# Altium PCB as_x31.PcbDoc (part 4 of 6) (continued)
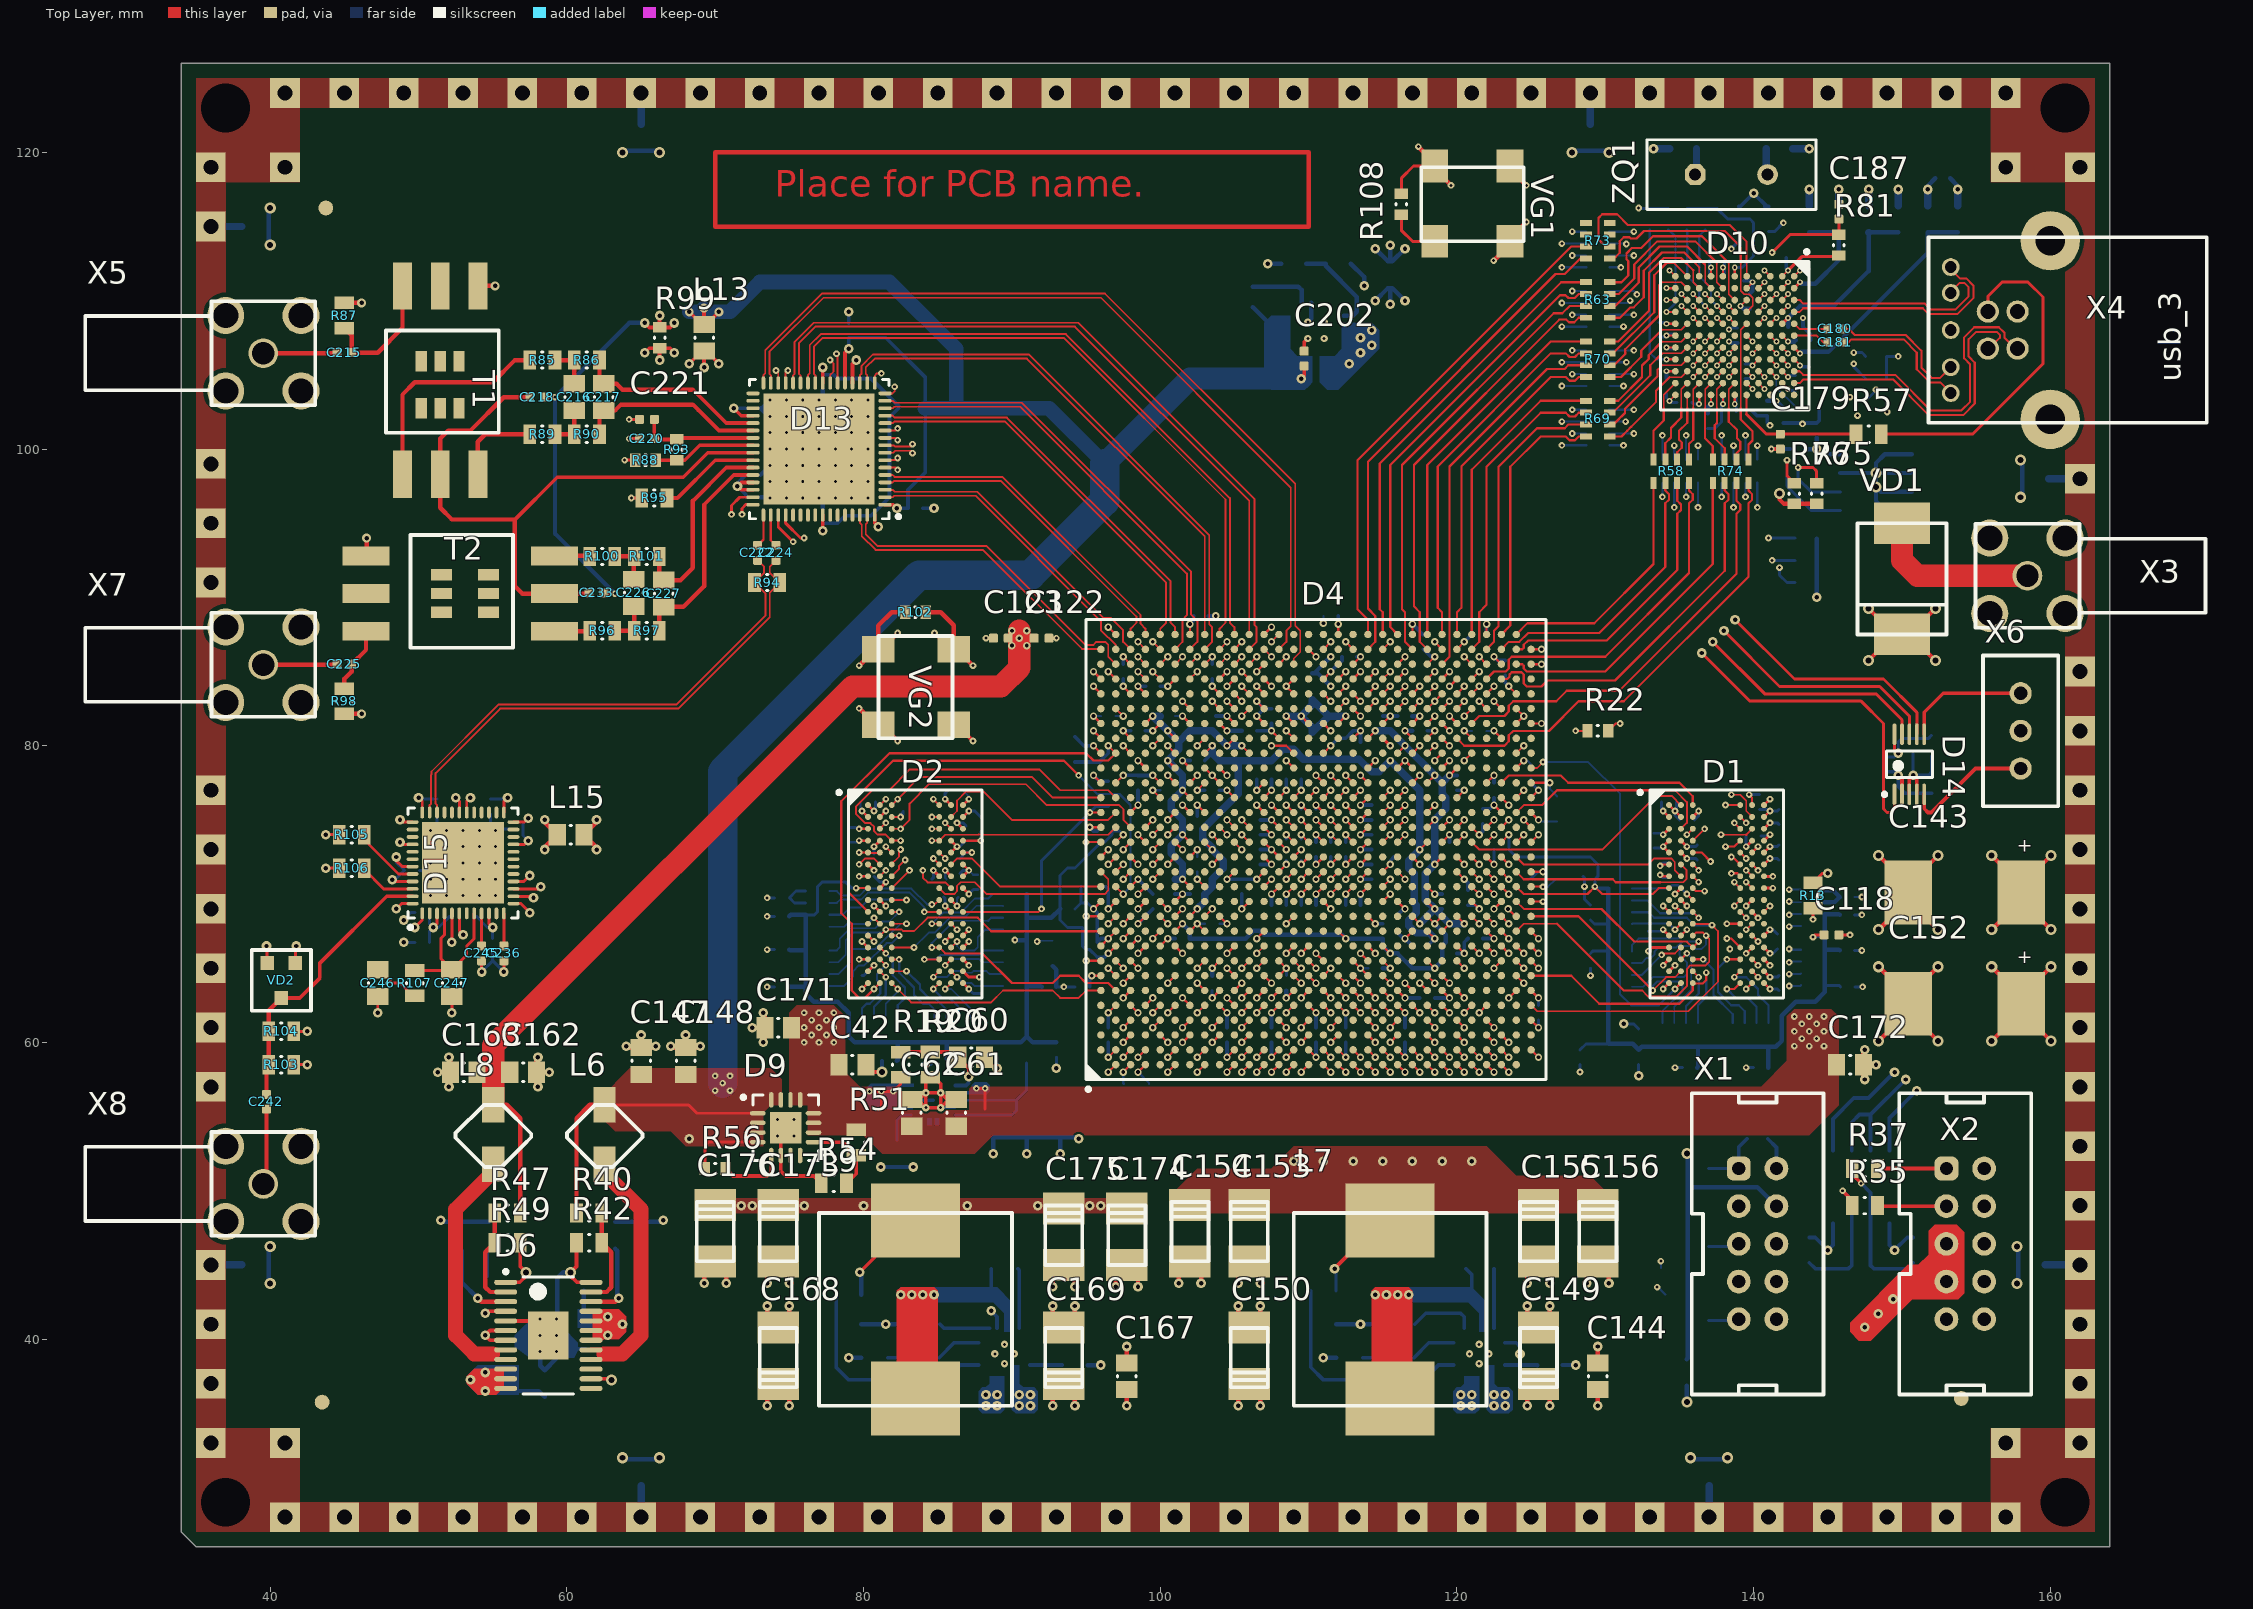
[diagram p0: Top Layer view]
## Nets (pads, with @x,y where several pads share a name; then routed paths per layer and width w, separated by ;. In a path a pad name is that pad's centre, name@x,y a point inside that pad or via, vN(x,y) a via of type N, cw(c..) or ccw(c..) an arc to the next point about the centre after c; other vN are vias at no path point) (continued)
D4: D10.G9 R65.6 | length 7.7
  Top Layer w0.125: v5(137.529,104.846) D10.G9@137.929,105.246
  int_2 w0.125: 135.229,102.646 135.229,102.846 136.329,103.946 137.029,103.946 137.529,104.446 v5(137.529,104.846)
  int_2 w0.15: 135.229,101.629 135.229,102.646
  int_2 w0.2: v2(134.65,100.225) 134.65,101.05 135.229,101.629
  Bottom Layer w0.15: R65.6@134.65,99.3 v2(134.65,100.225)
D5: D10.F8 R67.7 | length 7.4
  Top Layer w0.125: v5(138.329,105.646) D10.F8@138.729,106.046
  int_1 w0.125: v5(138.329,105.646) 139.129,104.846 139.129,102.746
  int_1 w0.15: 139.129,102 139.129,102.746
  int_1 w0.2: 139.129,102 139.129,101.246 v2(139.45,100.925)
  Bottom Layer w0.15: R67.7@139.45,99.275 v2(139.45,100.925)
D6: D10.H10 R74.8 | length 5.5
  Top Layer w0.1: 136.729,102.746 136.729,104.046 D10.H10@137.129,104.446
  Top Layer w0.15: 136.729,102.746 136.729,100.721 137.25,100.2 R74.8@137.25,99.3
D7: D10.H9 R65.7 | length 6.7
  Top Layer w0.125: v5(136.729,104.846) D10.H9@137.129,105.246
  int_1 w0.125: 135.829,102.746 135.829,103.246 136.729,104.146 v5(136.729,104.846)
  int_1 w0.15: 135.829,102 135.829,102.746
  int_1 w0.2: v2(135.45,100.925) 135.829,101.304 135.829,102
  Bottom Layer w0.15: R65.7@135.45,99.275 v2(135.45,100.925)
D8: D10.J10 R58.5 | length 5.4
  Top Layer w0.1: 135.929,102.746 135.929,104.046 D10.J10@136.329,104.446
  Top Layer w0.15: R58.5@135.65,99.3 135.65,100.35 135.929,100.629 135.929,102.746
D9: D10.J9 R71.7 | length 8.4
  Top Layer w0.125: v5(135.929,104.846) D10.J9@136.329,105.246
  int_1 w0.125: 133.829,104.046 135.129,104.046 v5(135.929,104.846)
  int_1 w0.2: v2(131.925,101.05) 132.875,102 132.875,103.092 133.829,104.046
  Bottom Layer w0.15: R71.7@130.275,101.05 v2(131.925,101.05)
D10: D10.K11 R58.6 | length 4.8
  Top Layer w0.1: 135.529,102.746 D10.K11@135.529,103.646
  Top Layer w0.15: R58.6@134.85,99.3 134.85,99.789 135.15,100.089 135.15,100.45 134.975,100.625 134.975,101.225 135.529,101.779 135.529,102.746
D11: D10.L10 R58.8 | length 5.8
  Top Layer w0.125: 133.942,102.759 133.942,103.659 D10.L10@134.729,104.446
  Top Layer w0.15: R58.8@133.25,99.3 133.25,101.225 133.942,101.917 133.942,102.759
D12: D10.K10 R58.7 | length 5.8
  Top Layer w0.1: 135.129,102.746 135.129,104.046 D10.K10@135.529,104.446
  Top Layer w0.15: R58.7@134.05,99.3 134.05,100.4 134.425,100.775 134.425,101.425 135.129,102.129 135.129,102.746
D13: D10.K9 R69.5 | length 7.5
  Top Layer w0.1: 134.329,104.846 135.129,104.846 D10.K9@135.529,105.246
  Top Layer w0.15: R69.5@130.3,100.85 131.1,100.85 131.475,101.225 131.475,101.236 131.739,101.5 131.75,101.5 133.429,103.179 133.429,103.946 134.329,104.846
D14: D10.J8 R71.6 | length 8.4
  Top Layer w0.125: v5(135.929,105.646) D10.J8@136.329,106.046
  int_1 w0.125: 133.829,104.446 134.729,104.446 v5(135.929,105.646)
  int_1 w0.15: 133.471,104.446 133.829,104.446
  int_1 w0.2: v2(131.375,101.85) 131.975,101.85 132.425,102.3 132.425,103.4 133.471,104.446
  Bottom Layer w0.15: R71.6@130.3,101.85 v2(131.375,101.85)
D15: D10.G8 R65.5 | length 8.9
  Top Layer w0.125: v5(137.529,105.646) D10.G8@137.929,106.046
  int_2 w0.125: 134.829,102.646 134.829,103.146 136.029,104.346 136.829,104.346 137.129,104.646 137.129,105.246 v5(137.529,105.646)
  int_2 w0.15: 134.825,101.9 134.829,101.9 134.829,102.646
  int_2 w0.2: v2(133.85,100.925) 134.825,101.9
  Bottom Layer w0.15: R65.5@133.85,99.275 v2(133.85,100.925)
D16: D10.K2 R70.6 | length 9.1
  Top Layer w0.1: 133.829,111.246 135.129,111.246 D10.K2@135.529,110.846
  Top Layer w0.15: R70.6@130.3,105.65 130.589,105.65 131.35,106.411 131.35,106.725 133.629,109.004 133.629,111.046 133.829,111.246
D17: D10.J4 R66.5 | length 6.7
  Top Layer w0.125: v5(135.929,109.646) D10.J4@136.329,109.246
  int_1 w0.125: 133.829,110.446 134.429,110.446 134.829,110.046 135.529,110.046 v5(135.929,109.646)
  int_1 w0.15: 133.083,110.446 133.829,110.446
  int_1 w0.2: v2@132.125,110.446 133.083,110.446
  Bottom Layer w0.15: R66.5@130.275,110.65 131.925,110.65 132.125,110.45 v2(132.125,110.425)
D18: D10.K1 R70.7 | length 9.6
  Top Layer w0.125: 134.129,112.546 134.629,112.546 D10.K1@135.529,111.646
  Top Layer w0.15: R70.7@130.3,106.45 130.525,106.45 133.3,109.225 133.3,111.717 134.129,112.546
D19: D10.J2 R70.8 | length 11.2
  Top Layer w0.1: 135.929,112.046 135.929,111.246 D10.J2@136.329,110.846
  Top Layer w0.15: R70.8@130.3,107.25 130.875,107.25 132.95,109.325 132.95,111.875 133.95,112.875 135.1,112.875 135.929,112.046
D20: D10.J3 R72.8 | length 6.9
  Top Layer w0.125: v5(135.929,110.446) D10.J3@136.329,110.046
  int_1 w0.125: 133.829,111.246 134.529,111.246 134.929,110.846 135.529,110.846 v5(135.929,110.446)
  int_1 w0.15: 133.083,111.246 133.829,111.246
  int_1 w0.2: v2(131.05,112.25) 132.054,111.246 133.083,111.246
  Bottom Layer w0.15: R72.8@130.3,112.25 v2(131.05,112.25)
D21: D10.J1 R63.5 | length 9.9
  Top Layer w0.1: D10.J1@136.329,111.646 136.329,112.246
  Top Layer w0.15: R63.5@130.3,108.85 131,108.85 131.7,109.55 131.925,109.55 132.6,110.225 132.6,112.025 133.825,113.25 135.325,113.25 136.329,112.246
D22: D10.H2 R63.6 | length 10.9
  Top Layer w0.1: 136.729,112.446 136.729,111.246 D10.H2@137.129,110.846
  Top Layer w0.15: R63.6@130.3,109.65 130.675,109.65 132.25,111.225 132.25,112.241 133.659,113.65 135.525,113.65 136.729,112.446
D23: D10.H3 R72.6 | length 8.8
  Top Layer w0.125: v5(136.729,110.446) D10.H3@137.129,110.046
  int_1 w0.125: 133.275,112.925 133.754,112.446 135.329,112.446 136.729,111.046 v5(136.729,110.446)
  int_1 w0.2: v2(131.425,113.825) 132.375,113.825 133.275,112.925
  Bottom Layer w0.15: R72.6@130.3,113.85 131.4,113.85 v2(131.425,113.825)
D24: D10.F4 R72.7 | length 10.2
  Top Layer w0.125: v5(138.329,109.646) D10.F4@138.729,109.246
  int_1 w0.125: 133.829,111.646 135.276,111.646 136.329,110.593 136.329,110.299 136.582,110.046 137.929,110.046 v5(138.329,109.646)
  int_1 w0.15: 133.329,111.646 133.829,111.646
  int_1 w0.2: v2(131.925,113.05) 133.329,111.646
  Bottom Layer w0.15: R72.7@130.275,113.05 v2(131.925,113.05)
D25: D10.G2 R63.7 | length 11.7
  Top Layer w0.1: 137.529,112.546 137.529,111.246 D10.G2@137.929,110.846
  Top Layer w0.15: R63.7@130.3,110.45 130.9,110.45 131.95,111.5 131.95,112.439 133.511,114 136.075,114 137.529,112.546
D26: D10.G3 R72.5 | length 9.8
  Top Layer w0.125: v5(137.529,110.446) D10.G3@137.929,110.046
  int_1 w0.125: 135.529,112.846 137.529,110.846 v5(137.529,110.446)
  int_1 w0.15: v2(131.925,114.65) 133.725,114.65 135.529,112.846
  Bottom Layer w0.15: R72.5@130.275,114.65 v2(131.925,114.65)
D27: D10.F3 R63.8 | length 13.8
  Top Layer w0.1: 138.329,112.546 138.329,110.446 D10.F3@138.729,110.046
  Top Layer w0.15: R63.8@130.3,111.25 131.1,111.25 131.55,111.7 131.55,112.675 131.425,112.8 131.425,113.186 131.792,113.553 132.422,113.553 133.218,114.35 136.525,114.35 138.329,112.546
D28: D10.F5 R66.8 | length 9
  Top Layer w0.125: v5(138.329,108.846) D10.F5@138.729,108.446
  int_2 w0.125: 133.421,108.046 135.129,108.046 135.529,108.446 137.929,108.446 v5(138.329,108.846)
  int_2 w0.2: v2(131.225,108.25) 131.429,108.046 133.421,108.046
  Bottom Layer w0.15: R66.8@130.3,108.25 v2(131.225,108.25)
D29: D10.E1 R73.6 | length 15.6
  Top Layer w0.1: D10.E1@139.529,111.646 139.529,112.546
  Top Layer w0.15: R73.6@130.3,113.65 130.025,113.65 129.55,114.125 129.55,115.575 129.8,115.825 130.8,115.825 131.525,115.1 138.4,115.1 139.529,113.971 139.529,112.546
D30: D10.E5 R74.5 | length 9.8
  Top Layer w0.1: 139.129,102.746 139.129,108.046 D10.E5@139.529,108.446
  Top Layer w0.15: 139.129,102.746 139.129,101.996 139.925,101.2 139.925,100.575 139.65,100.3 R74.5@139.65,99.3
D31: D10.E4 R73.5 | length 15.6
  Top Layer w0.1: 139.129,112.546 139.129,110.682 139.366,110.445 139.694,110.445 139.929,110.21 139.929,109.646 D10.E4@139.529,109.246
  Top Layer w0.15: R73.5@130.3,112.85 130.6,112.85 130.975,113.225 130.975,114.011 131.239,114.275 131.638,114.275 131.713,114.2 132.111,114.2 132.611,114.7 138.05,114.7 139.129,113.621 139.129,112.546
DDR0_A0: D1.N3 D4.AJ12 R3.6 | length 19
  Top Layer w0.125: D4.AJ12@124,69.5 124.5,69 126.6,69 ; 131.95,66.8 135.5,66.8 D1.N3@135.9,66.4
  Top Layer w0.15: 126.6,69 129.75,69 131.95,66.8 ; D1.N3@135.9,66.4 v2(136.3,66.8)
  Bottom Layer w0.125: R3.6@131.8,65.35 132.45,65.35 132.8,65.7 133.1,65.7 133.312,65.912 133.312,66.112 133.6,66.4 134.8,66.4 135.2,66.8 v2(136.3,66.8)
DDR0_A1: D1.P7 D4.AK12 R11.6 | length 22.1
  Top Layer w0.125: D4.AK12@125,69.5 125.8,69.5 v2(125.8,69.487)
  Top Layer w0.15: v2(138.2,65.6) D1.P7@139.1,65.6
  int_2 w0.125: v2(125.8,69.487) 129.213,69.487 131.79,66.91 134.006,66.91 135.329,65.588 135.671,65.588 135.913,65.829 135.913,66.113 136.188,66.388 137.413,66.388 v2(138.2,65.6)
  Bottom Layer w0.15: v2(138.2,65.6) 137.6,65 137.6,63.4 138.5,62.5 139,62.5 139.4,62.1 R11.6@139.4,61.3
DDR0_A2: D1.P3 D4.AH11 R11.5 | length 21.3
  Top Layer w0.15: D4.AH11@123,68.5 v1(123.5,68) ; D1.P3@135.9,65.6 v2(136.6,65.6)
  int_2 w0.15: v1(123.5,68) 128.3,68 131.525,64.775 135.775,64.775 v2(136.6,65.6)
  Bottom Layer w0.15: v2(136.6,65.6) 137.3,64.9 137.3,63.2 138.6,61.9 R11.5@138.6,61.3
DDR0_A3: D1.N2 D4.AH12 R3.7 | length 17.8
  Top Layer w0.125: v2(133.8,65.9) 133.9,66 134.7,66 D1.N2@135.1,66.4
  Top Layer w0.15: v1(122.5,69) 122.407,69 122.562,69 122.562,69.062 D4.AH12@123,69.5
  int_2 w0.125: 131.475,66.025 131.9,65.6 133.5,65.6 v2(133.8,65.9)
  int_2 w0.15: v1(122.5,69) 123,68.5 129,68.5 131.475,66.025
  Bottom Layer w0.15: R3.7@131.8,64.55 132.45,64.55 v2(133.8,65.9)
DDR0_A4: D1.P8 D4.AG13 R6.6 | length 28.6
  Top Layer w0.15: D4.AG13@122,70.5 v1(122.5,70) ; D1.P8@139.9,65.6 v2(140.3,65.2)
  int_2 w0.125: 131.25,66.85 131.5,66.6 133.963,66.6 135.226,65.338 135.774,65.338 136.163,65.726 136.163,65.963 136.338,66.138 137.079,66.138 138.029,65.188 v2@140.3,65.188
  int_2 w0.15: v1(122.5,70) 123,69.5 124.1,69.5 124.8,68.8 129.3,68.8 131.25,66.85
  int_1 w0.125: v2(140.3,65.2) 139.8,64.7 139.8,64.2 140.3,63.7 140.3,63.3 140.8,62.8 141.5,62.8 141.9,63.2 141.9,64.1 v2(142.4,64.6)
  Bottom Layer w0.125: v2(142.4,64.6) 143.15,64.6 R6.6@143.2,64.65
DDR0_A5: D1.P2 D4.AG14 R9.6 | length 21.9
  Top Layer w0.15: D4.AG14@122,71.5 v1(122.5,71) ; D1.P2@135.1,65.6 v2(135.5,66)
  int_2 w0.125: 132.15,67.55 132.541,67.159 134.341,67.159 134.7,66.8 135.1,66.8 135.5,66.4 v2(135.5,66)
  int_2 w0.15: v1(122.5,71) 123,70.5 123.9,70.5 124.4,70 129.7,70 132.15,67.55
  Bottom Layer w0.125: R9.6@134.65,61.3 134.65,62.4 135.8,63.55 135.8,65.7 v2(135.5,66)
DDR0_A6: D1.R8 D4.AK10 R6.7 | length 23.2
  Top Layer w0.15: D4.AK10@125,67.5 v1(125.5,67) ; D1.R8@139.9,64.8 v2(140.3,64.4)
  int_2 w0.15: v1(125.5,67) 128,67 130.975,64.025 134.876,64.025 134.926,63.975 137.674,63.975 138.524,64.825 139,64.825 139.136,64.689 140.011,64.689 v2(140.3,64.4)
  int_1 w0.15: v2(140.3,64.4) 140.6,64.1 140.6,63.499 140.924,63.175 141.276,63.175 141.525,63.424 141.525,64.525 v2(142.4,65.4)
  Bottom Layer w0.15: v2(142.4,65.4) 142.45,65.45 R6.7@143.2,65.45
DDR0_A7: D1.R2 D4.AK11 R9.5 | length 18.3
  Top Layer w0.125: v2(133.2,63.5) 134.1,64.4 134.7,64.4 D1.R2@135.1,64.8
  Top Layer w0.15: D4.AK11@125,68.5 128.2,68.5 v2(133.2,63.5)
  Bottom Layer w0.15: v2(133.2,63.5) 133.2,63.8 133.5,64.1 134.9,64.1 135.2,63.8 135.2,63.45 133.85,62.1 R9.5@133.85,61.3
DDR0_A8: D1.T8 D4.AF11 R6.5 | length 27.4
  Top Layer w0.15: D4.AF11@121,68.5 v1(121.5,68) ; v2(139.5,63.6) D1.T8@139.9,64
  int_2 w0.15: v1(121.5,68) 121.5,67.364 122.414,66.45 122.686,66.45 122.95,66.186 122.95,65.914 123.314,65.55 126.05,65.55 128.9,62.7 138.6,62.7 v2(139.5,63.6)
  int_1 w0.15: v2(139.5,63.6) 140.6,62.5 141.6,62.5 142.4,63.3 v2(142.4,63.8)
  Bottom Layer w0.15: v2(142.4,63.8) 143.15,63.8 R6.5@143.2,63.85
DDR0_A9: D1.R3 D4.AG11 R9.7 | length 20
  Top Layer w0.15: D4.AG11@122,68.5 v1(122.5,68) ; D1.R3@135.9,64.8 v2(136.3,64.4)
  int_2 w0.15: v1(122.5,68) 122.7,68 123.2,67.5 128.25,67.5 131.35,64.4 v2(136.3,64.4)
  Bottom Layer w0.15: R9.7@135.45,61.3 135.45,62.45 136.3,63.3 v2(136.3,64.4)
DDR0_A10: D1.L7 D4.AJ8 R1.6 | length 23.3
  Top Layer w0.15: D4.AJ8@124,65.5 v1(124.5,65) ; v2(138.2,68) D1.L7@139.1,68
  int_2 w0.125: v2(138.2,68) 139.012,67.189 139.689,67.189 141.1,68.6 v2(142.4,68.6)
  int_1 w0.15: v1(124.5,65) 124.6,65 125.1,65.5 125.8,65.5 126.3,65 132.9,65 133.3,64.6 134.899,64.6 136.499,66.2 138.2,67.9 v2(138.2,68)
  Bottom Layer w0.15: v2(142.4,68.6) 142.45,68.65 R1.6@143.2,68.65
DDR0_A11: D1.R7 D4.AK8 R11.8 | length 24
  Top Layer w0.15: D4.AK8@125,65.5 v1(125.5,65) ; v2(138.7,64.4) D1.R7@139.1,64.8
  int_2 w0.15: v1(125.5,65) 128.2,62.3 139.1,62.3 140,63.2 140,63.9 139.5,64.4 v2(138.7,64.4)
  Bottom Layer w0.15: v2(138.7,64.4) 139.5,64.4 140.3,63.6 140.3,63.2 141,62.5 R11.8@141,61.3
DDR0_A12: D1.N7 D4.AJ7 R1.5 | length 22.8
  Top Layer w0.15: D4.AJ7@124,64.5 v1(124.5,64) ; v2(138.2,67) 138.5,67 D1.N7@139.1,66.4
  int_2 w0.125: v2(138.2,67) 138.261,66.94 139.858,66.94 141.118,68.2 142,68.2 v2(142.4,67.8)
  int_1 w0.15: v1(124.5,64) 132.25,64 132.45,64.2 135.3,64.2 136.276,65.176 136.776,65.176 137.1,65.5 137.1,65.9 v2(138.2,67)
  Bottom Layer w0.15: v2(142.4,67.8) 142.45,67.85 R1.5@143.2,67.85
DDR0_A13: D1.T3 D4.AK7 R9.8 | length 17.7
  Top Layer w0.15: D4.AK7@125,64.5 127.7,64.5 129.6,62.6 135,62.6 135.9,63.5 D1.T3@135.9,64 135.925,63.975 136.575,63.975 136.8,64.2 v2@136.8,64.7
  Bottom Layer w0.15: R9.8@136.25,61.3 136.25,62.5 136.807,63.057 v2(136.807,64.707)
DDR0_A14: D1.T7 D4.AF13 R11.7 | length 26.4
  Top Layer w0.15: D4.AF13@121,70.5 v1(121.5,70) ; v2(138.2,63.6) 138.7,63.6 D1.T7@139.1,64
  int_2 w0.15: v1(121.5,70) 122,69.5 122,67.7 122.25,67.45 122.686,67.45 123.05,67.086 123.05,66.814 123.364,66.5 125.9,66.5 129.4,63 137.6,63 v2(138.2,63.6)
  Bottom Layer w0.15: v2(138.2,63.6) 138.8,63 139.6,63 140.2,62.4 R11.7@140.2,61.3
DDR0_BA0: D1.M2 D4.AH9 R3.5 | length 18.6
  Top Layer w0.15: D4.AH9@123,66.5 v1(123.5,66) ; D1.M2@135.1,67.2 v2(135.5,67.6)
  int_1 w0.15: v1(123.5,66) 124.1,66.6 124.9,66.6 124.95,66.55 126.35,66.55 126.5,66.4 132.15,66.4 132.55,66.8 134.7,66.8 v2(135.5,67.6)
  Bottom Layer w0.125: 131.8,66.55 132.25,67 134.9,67 135,67.1
  Bottom Layer w0.15: R3.5@131.8,66.15 131.8,66.55 ; 135,67.1 v2(135.5,67.6)
DDR0_BA1: D1.N8 D4.AH10 R6.8 | length 27.1
  Top Layer w0.15: D4.AH10@123,67.5 v1(123.5,67) ; v2(139.5,66) D1.N8@139.9,66.4
  int_2 w0.15: v2(138.4,66.3) 138.7,66 v2(139.5,66) 140.3,66 140.8,66.5 141.5,66.5 141.7,66.3 v2(142.4,66.3)
  int_1 w0.15: v1(123.5,67) 123,66.5 123,64.75 124.25,63.5 132.3,63.5 132.9,62.9 135.6,62.9 137.5,64.8 137.5,65.7 138.1,66.3 v2(138.4,66.3)
  Bottom Layer w0.15: v2(142.4,66.3) 142.45,66.25 R6.8@143.2,66.25
DDR0_BA2: D1.M3 D4.AJ10 R3.8 | length 28.4
  Top Layer w0.125: D4.AJ10@124,67.5 124.5,68 126.75,68 ; 132.5,63.5 132.912,63.088 134.771,63.088 135.513,63.829 135.513,64.961 135.74,65.188 136.061,65.188 136.771,65.188 137.013,65.429 137.013,66.988 v2(136.8,67.2) 136.6,67.4 136.1,67.4 D1.M3@135.9,67.2
  Top Layer w0.15: 126.75,68 131.25,63.5 132.5,63.5
  Bottom Layer w0.125: R3.8@131.8,63.75 132.55,63.75 133.2,64.4 135.3,64.4 135.5,64.6 135.5,65.4 135,65.9 135,66.2 135.3,66.5 135.7,66.5 135.9,66.3 136.5,66.3 136.8,66.6 v2(136.8,67.2)
DDR0_CAS: D1.K3 D4.AF9 R4.6 | length 28
  Top Layer w0.15: D4.AF9@121,66.5 v1(121.5,66) ; D1.K3@135.9,68.8 v2(136.3,68.4)
  int_2 w0.15: v1(121.5,66) 121.5,66.65 121,67.15 121,70.3 121.25,70.55 121.686,70.55 122.05,70.914 122.05,71.186 122.314,71.45 124.25,71.45 124.7,71 130.1,71 132.7,68.4 v2(136.3,68.4)
  Bottom Layer w0.15: R4.6@131.8,69.575 132.825,69.575 133.7,68.7 136,68.7 v2(136.3,68.4)
DDR0_CK_N: D1.K7 D4.AA14 R1.7 | length 39
  Top Layer w0.125: D4.AA14@116,71.5 v1(116.5,71) ; D1.K7@139.1,68.8 v2(139.5,68.4)
  int_1 w0.13: v1(116.5,71) 116.57,71 117.27,70.3 117.27,69.063 118.06,68.273 118.06,67.818 118.318,67.56 118.773,67.56 120.06,66.273 120.06,65.818 120.318,65.56 120.773,65.56 123.106,63.228 123.06,63.182 123.06,62.818 123.318,62.56 123.682,62.56 123.728,62.606 124.233,62.1 135.8,62.1 139.286,65.586 139.672,65.586 139.914,65.829 139.914,66.172 139.7,66.386 139.7,66.815 139,67.515 139,67.9 v2(139.5,68.4) 140.72,69.62 142.28,69.62 v2(142.4,69.5)
  Bottom Layer w0.125: v2(142.4,69.5) 142.45,69.45 R1.7@143.2,69.45
DDR0_CK_P: D1.J7 D4.Y13 R1.8 | length 40.7
  Top Layer w0.125: D4.Y13@115,70.5 v1(115.5,71) ; v2(138.7,69.2) D1.J7@139.1,69.6
  int_1 w0.13: v1(115.5,71) 115.772,71 116.287,71.515 116.713,71.515 117.015,71.213 117.015,71.085 117.6,70.5 117.6,69.2 118.36,68.44 118.682,68.44 118.94,68.182 118.94,67.86 120.36,66.44 120.682,66.44 120.94,66.182 120.94,65.86 123.36,63.44 123.682,63.44 123.94,63.182 123.94,62.86 124.37,62.43 135.663,62.43 139.086,65.853 139.086,66.172 139.37,66.456 139.37,66.678 138.67,67.378 138.67,68.037 139.01,68.377 139.01,68.89 v2(138.7,69.2) 139.2,69.7 140.333,69.7 140.583,69.95 142.05,69.95 v2(142.4,70.3)
  Bottom Layer w0.125: v2(142.4,70.3) 143.15,70.3 R1.8@143.2,70.25
DDR0_CKE: D1.K9 D4.AK18 R15.2 | length 21.7
  Top Layer w0.125: D1.K9@140.7,68.8 v2(141.1,69.2)
  Top Layer w0.15: D4.AK18@125,75.5 v1(125.5,75)
  int_2 w0.125: v1(125.5,75) 133.717,75 134.808,73.908 134.808,72.292 135.2,71.9 135.7,71.9 135.917,72.117 136.6,72.117 138.717,70 140.3,70 v2(141.1,69.2)
  Bottom Layer w0.125: v1(125.5,75) 125.6,74.9 R15.2@126.75,74.9
DDR0_CS: D1.L2 D4.Y12 R4.8 | length 28.2
  Top Layer w0.15: D4.Y12@115,69.5 v1(115.5,70) ; v2(134.7,67.6) D1.L2@135.1,68
  int_1 w0.15: v1(115.5,70) 115,70.5 115,71.15 115.014,71.15 115.314,71.45 115.75,71.45 116.2,71.9 116.9,71.9 117.4,71.4 118.464,71.4 121.414,68.45 121.686,68.45 121.95,68.186 121.95,67.914 122.364,67.5 128.8,67.5 129.3,67 132,67 132.075,67.075 134.175,67.075 v2(134.7,67.6)
  Bottom Layer w0.15: R4.8@131.8,67.975 131.85,68.025 134.275,68.025 v2(134.7,67.6)
DDR0_DM0: D1.E7 D4.AE15 | length 28.8
  Top Layer w0.15: D4.AE15@120,72.5 v1(120.5,72) ; D1.E7@139.1,72.8 v2(139.5,72.4)
  int_1 w0.125: 136.5,67.9 138.6,70 139.8,70 140.725,70.925
  int_1 w0.15: v1(120.5,72) 120,71.5 120,70.7 121.15,69.55 121.65,69.55 121.95,69.25 121.95,68.814 122.314,68.45 128.85,68.45 129.6,67.7 133.1,67.7 133.5,68.1 135.9,68.1 136.1,67.9 136.5,67.9 ; v2(139.5,72.4) 140.101,72.4 140.725,71.776 140.725,70.925
DDR0_DM1: D1.D3 D4.AH19 | length 16
  Top Layer w0.15: D4.AH19@123,76.5 v1(123.5,76) ; D1.D3@135.9,73.6 v2(136.7,74.4)
  int_1 w0.15: v1(123.5,76) 123.7,75.8 126.6,75.8 127,76.2 134.9,76.2 v2(136.7,74.4)
DDR0_DQ0: D1.E3 D4.AF15 | length 22.2
  Top Layer w0.15: D4.AF15@121,72.5 v1(121.5,72) ; D1.E3@135.9,72.8 136.5,72.8 v2(137.1,72.2)
  int_1 w0.125: 133.213,69.7 133.7,69.7 134.5,70.5 135.8,70.5 136.513,69.788 136.888,69.788 137.3,70.2 137.3,72
  int_1 w0.15: v1(121.5,72) 121.95,71.55 125.05,71.55 125.5,72 130.5,72 132.8,69.7 133.213,69.7 ; v2(137.1,72.2) 137.3,72
DDR0_DQ1: D1.F7 D4.AE16 | length 28
  Top Layer w0.15: D4.AE16@120,73.5 v1(120.5,74) ; v2(138.5,72.5) 138.6,72.5 D1.F7@139.1,72
  int_1 w0.125: 138.4,77.6 138.925,77.075 138.925,76.224 138,75.299 138,74.411 138.6,73.811 138.6,72.6 v2(138.5,72.5)
  int_1 w0.15: v1(120.5,74) 121,74.5 121,75.8 122.3,77.1 123.5,77.1 124.1,77.7 125.2,77.7 125.5,78 126.75,78 127.15,77.6 138.4,77.6
DDR0_DQ2: D1.F2 D4.AJ14 | length 13
  Top Layer w0.125: 133.7,70.8 135.248,70.8 135.488,71.04 135.488,71.613 D1.F2@135.1,72
  Top Layer w0.15: D4.AJ14@124,71.5 124.5,71 130.5,71 130.7,70.8 133.7,70.8
DDR0_DQ3: D1.F8 D4.AH15 | length 27.6
  Top Layer w0.15: D4.AH15@123,72.5 v1(123.5,72) ; D1.F8@139.9,72 v2(140.3,71.6)
  int_1 w0.125: v1(123.5,72) 123.063,72.437 121.3,72.437 121,72.137 121,70.8 121.3,70.5 121.619,70.5 121.938,70.181 121.938,69.944 122.381,69.5 124.8,69.5 125.3,69 129.3,69 ; 136.124,68.825 136.825,68.825 138.3,70.3 139.7,70.3 140,70.6 140,71.3
  int_1 w0.15: 129.3,69 129.9,68.4 135.7,68.4 135.875,68.575 ; 135.875,68.576 136.124,68.825 ; 140,71.3 v2(140.3,71.6)
DDR0_DQ4: D1.H3 D4.AE17 | length 22.5
  Top Layer w0.15: D4.AE17@120,74.5 v1(120.5,75) ; D1.H3@135.9,70.4 136.1,70.2 v2(136.7,70.2)
  int_1 w0.125: 132.2,73.5 133.1,72.6 134.5,72.6 135.2,71.9 135.7,71.9 135.899,72.099 136.6,72.099 136.899,71.8 ; v2(136.7,70.2) 136.9,70.4 136.9,71.8
  int_1 w0.15: v1(120.5,75) 120,74.5 120,73.864 120.364,73.5 132.2,73.5
DDR0_DQ5: D1.H8 D4.AD17 | length 30.3
  Top Layer w0.15: D4.AD17@119,74.5 v1(119.5,75) ; v2(139.5,70.8) D1.H8@139.9,70.4
  int_1 w0.125: 138.5,78.1 139.2,77.4 139.2,75.901 138.275,74.976 138.275,74.525 139,73.8
  int_1 w0.15: v1(119.5,75) 122,77.5 123.1,77.5 123.7,78.1 124.9,78.1 125.2,78.4 126.85,78.4 127.15,78.1 138.5,78.1 ; 139,73.8 139,71.3 v2(139.5,70.8)
DDR0_DQ6: D1.G2 D4.AJ15 | length 12.3
  Top Layer w0.125: 132.9,72 133.3,72.4 134.448,72.4 134.688,72.161 134.688,71.613 D1.G2@135.1,71.2
  Top Layer w0.15: D4.AJ15@124,72.5 124.5,72 132.9,72
DDR0_DQ7: D1.H7 D4.AF14 | length 20.3
  Top Layer w0.15: D4.AF14@121,71.5 v1(121.5,71) ; v2(138.7,70.8) D1.H7@139.1,70.4
  int_1 w0.125: v1(121.5,71) 121.95,70.55 123.586,70.55 124.236,69.9 130.9,69.9 ; 136.1,69.2 136.8,69.2 138.4,70.8 v2(138.7,70.8)
  int_1 w0.15: 130.9,69.9 132.1,68.7 135.601,68.7 135.925,69.024 136.1,69.2
DDR0_DQ8: D1.D7 D4.AK17 | length 16.5
  Top Layer w0.15: v1(124.5,75) D4.AK17@125,74.5 ; v2(138.1,73.2) 138.7,73.2 D1.D7@139.1,73.6
  int_1 w0.125: 132.5,74.7 132.7,74.9 135.201,74.9 136.901,73.2 v2(138.1,73.2)
  int_1 w0.15: v1(124.5,75) 124.95,74.55 125.85,74.55 126,74.7 132.5,74.7
DDR0_DQ9: D1.C3 D4.AK16 | length 11.7
  Top Layer w0.15: D4.AK16@125,73.5 v1(125.5,74) ; v2(135.5,74) D1.C3@135.9,74.4
  int_1 w0.2: v1(125.5,74) 132.7,74 133.2,74.5 135,74.5 v2(135.5,74)
DDR0_DQ10: D1.C8 D4.AG17 | length 19.3
  Top Layer w0.125: v2(137.8,74) 139.5,74
  Top Layer w0.15: D4.AG17@122,74.5 v1(122.5,75) ; 139.5,74 D1.C8@139.9,74.4
  int_1 w0.125: 133.2,75.5 133.55,75.15 135.349,75.15 136.799,73.7 137.5,73.7 v2(137.8,74)
  int_1 w0.15: v1(122.5,75) 123,75.5 133.2,75.5
DDR0_DQ11: D1.C2 D4.AJ18 | length 14.4
  Top Layer w0.125: D4.AJ18@124,75.5 124.5,76 125.75,76 ; 134.7,77 135.5,76.2 135.5,74.8 D1.C2@135.1,74.4
  Top Layer w0.15: 125.75,76 126.75,77 134.7,77
DDR0_DQ12: D1.A7 D4.AG16 | length 21.1
  Top Layer w0.15: D4.AG16@122,73.5 v1(122.5,74) ; v2(138.1,76) D1.A7@139.1,76
  int_1 w0.15: v1(122.5,74) 122,74.5 122,76.3 122.3,76.6 123.8,76.6 124.325,76.075 126.451,76.075 126.976,76.6 135.7,76.6 136.275,76.025 138.075,76.025 v2(138.1,76)
DDR0_DQ13: D1.A2 D4.AF16 | length 16
  Top Layer w0.125: 129.8,73 133.4,76.6 134.5,76.6 D1.A2@135.1,76
  Top Layer w0.15: D4.AF16@121,73.5 121.5,73 129.8,73
DDR0_DQ14: D1.B8 D4.AJ19 | length 17.8
  Top Layer w0.125: v2(138.5,76.7) 139.1,76.7 139.5,76.3 139.5,75.6 D1.B8@139.9,75.2
  Top Layer w0.15: D4.AJ19@124,76.5 v1(124.5,77)
  int_1 w0.125: 136.1,77 136.4,76.7 v2(138.5,76.7)
  int_1 w0.15: v1(124.5,77) 125.15,76.35 126.25,76.35 126.9,77 136.1,77
DDR0_DQ15: D1.A3 D4.AH20 | length 14.3
  Top Layer w0.15: D4.AH20@123,77.5 123.5,78 127,78 127.5,77.5 135,77.5 135.9,76.6 D1.A3@135.9,76
DDR0_DQS0_N: D1.G3 D4.AA16 | length 22.6
  Top Layer w0.125: D4.AA16@116,73.5 v1(116.5,74) ; D1.G3@135.9,71.2 v2(136.3,70.8)
  int_1 w0.13: v1(116.5,74) 118,74 119.2,72.8 123.533,72.8 130.733,72.8 133.033,70.5 134,70.5 134.3,70.8 v2(136.3,70.8)
DDR0_DQS0_P: D1.F3 D4.Y16 | length 24.1
  Top Layer w0.125: D4.Y16@115,73.5 v1(115.5,74) ; D1.F3@135.9,72 v2(136.3,71.6)
  int_1 w0.13: v1(115.5,74) 116.015,74.515 117.985,74.515 119.37,73.13 130.87,73.13 133.17,70.83 133.863,70.83 134.163,71.13 135.463,71.13 135.933,71.6 v2(136.3,71.6)
DDR0_DQS1_N: D1.B7 D4.Y18 | length 32
  Top Layer w0.125: D4.Y18@115,75.5 v1(115.5,76) ; D1.B7@139.1,75.2 v2(139.5,74.8)
  int_1 w0.13: v1(115.5,76) 116,76.5 117.133,76.5 117.433,76.8 119.1,76.8 121.2,78.9 123.6,78.9 124.2,79.5 125.233,79.5 125.463,79.73 138.037,79.73 140.6,77.167 140.6,75.5 139.9,74.8 v2(139.5,74.8)
DDR0_DQS1_P: D1.C7 D4.Y17 | length 32
  Top Layer w0.125: D4.Y17@115,74.5 v1(115.5,75) ; v2(138.7,74.8) D1.C7@139.1,74.4
  int_1 w0.13: v1(115.5,75) 116,75.5 116.622,75.5 117.3,76.178 117.3,76.2 117.57,76.47 119.237,76.47 121.327,78.56 124.76,78.56 125.6,79.4 137.9,79.4 140.2,77.1 140.2,75.7 139.9,75.4 139.3,75.4 v2(138.7,74.8)
DDR0_ODT: D1.K1 D4.AH14 | length 12.4
  Top Layer w0.15: D4.AH14@123,71.5 v1(123.5,71) ; v2(133.9,69.2) D1.K1@134.3,68.8
  int_1 w0.15: v1(123.5,71) 130.5,71 132.3,69.2 v2(133.9,69.2)
DDR0_RAS: D1.J3 D4.AG9 R4.5 | length 29.4
  Top Layer w0.15: D4.AG9@122,66.5 v1(122.5,66) ; v2(135.5,70) D1.J3@135.9,69.6
  int_2 w0.15: v1(122.5,66) 122.136,66 121.686,65.55 121.314,65.55 121,65.864 121,66.6 120.05,67.55 120.05,69.75 121.05,70.75 121.05,71.186 121.314,71.45 121.586,71.45 122.05,71.914 122.05,72.186 122.314,72.45 130.55,72.45 132.3,70.7 134.8,70.7 v2(135.5,70)
  Bottom Layer w0.15: R4.5@131.8,70.375 134.275,70.375 134.5,70.6 134.9,70.6 v2(135.5,70)
DDR0_RESET_N: D1.T2 D4.AK21 R17.2 | length 25.6
  Top Layer w0.125: D4.AK21@125,78.5 125.4,78.5 v2(125.8,78.9)
  Top Layer w0.15: v2(134.7,63.6) D1.T2@135.1,64
  Bottom Layer w0.125: v2(125.8,78.9) 128.85,78.9 131,76.75 131,73.7
  Bottom Layer w0.15: 131,73.7 131,63.25 131.75,62.5 133.6,62.5 v2(134.7,63.6)
DDR0_WE: D1.L3 D4.AK5 R4.7 | length 24.5
  Top Layer w0.125: D4.AK5@125,62.5 125.4,62.1 135.6,62.1 137.6,64.1 137.6,67.5 v2(137.2,67.9) ; D1.L3@135.9,68 135.913,67.988 v2@137.113,67.988
  Bottom Layer w0.15: R4.7@131.8,68.775 132.925,68.775 133.3,68.4 135.5,68.4 136,67.9 v2(137.2,67.9)
DDR1_A0: D2.N3 D4.B11 R7.7 | length 24.7
  Top Layer w0.125: D2.N3@81.9,66.4 v2(83.4,66.4)
  Top Layer w0.15: v1(96.5,68) D4.B11@97,68.5
  int_2 w0.125: v2(83.4,66.4) 83.4,65.6 83.9,65.1 84.3,65.1 85.5,66.3 87.6,66.3 88.4,67.1 89,67.1
  int_2 w0.15: 89,67.1 89.4,67.5 95.7,67.5 96.2,68 v1(96.5,68)
  Bottom Layer w0.125: v2(83.4,66.4) 84.4,67.4 84.8,67.4 85.9,68.5 86.9,68.5 87.613,69.213 89.387,69.213 R7.7@89.4,69.2